# Altium PCB SP7.PcbDoc (part 3 of 4)
Units mm, origin at the board's own origin, x right, y up, seen from the top; angles counter-clockwise.
Board outline 69.1 x 36.6 mm, 6 copper layers (Top, 02_GND, 03_SIG, 04_PWR, 05_SIG, Bottom), stack 1.443 mm thick; 199 components, 178 nets, 906 pads, 778 vias.
Unrouted connection lines stored in the file: 1.
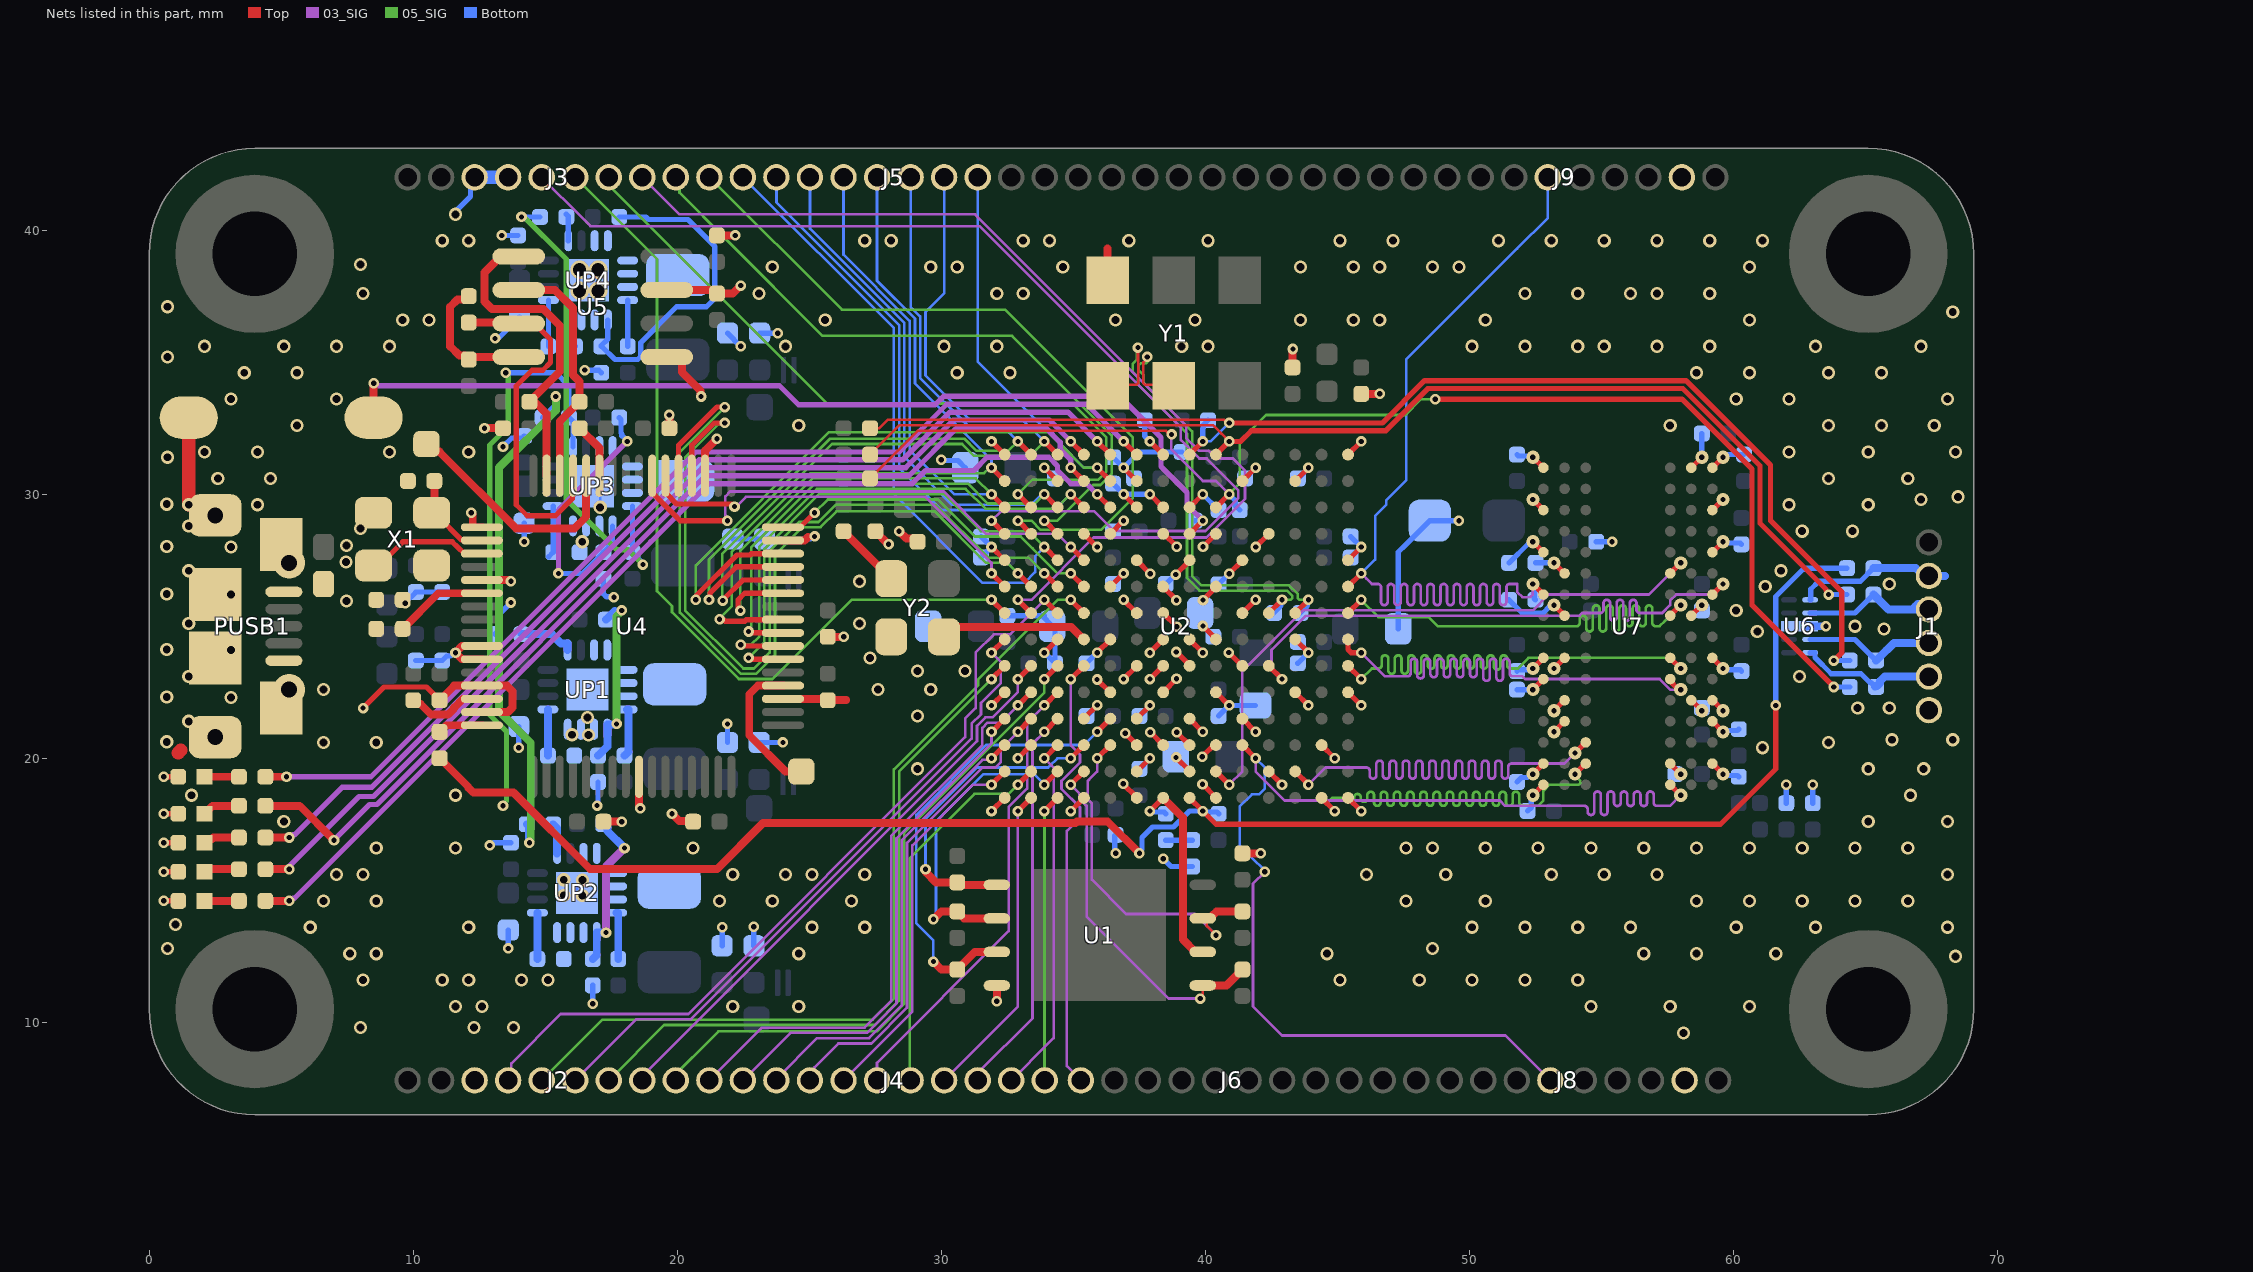
[diagram p7: the nets of this part, all layers, seen from the top]

## Via types
v1: diameter 0.4, hole 0.2, Top to Bottom, tented both sides, 330 vias
v2: diameter 0.5, hole 0.3, Top to Bottom, tented both sides, 183 vias
v3: diameter 0.5/0.5/0.5/0.5 (per signal layer), hole 0.3, Top to Bottom, tented both sides, 138 vias
v4: diameter 0.4/0.5/0.5/0.5 (per signal layer), hole 0.2, Top to Bottom, tented both sides, 91 vias
v5: diameter 0.8, hole 0.5, Top to Bottom, 32 vias
v6: diameter 0.7/0.5/0.5/0.5 (per signal layer), hole 0.5, Top to Bottom, tented both sides, 4 vias

## Nets (pads, with @x,y where several pads share a name; then routed paths per layer and width w, separated by ;. In a path a pad name is that pad's centre, name@x,y a point inside that pad or via, vN(x,y) a via of type N, cw(c..) or ccw(c..) an arc to the next point about the centre after c; other vN are vias at no path point) (continued)
DDR3_DQ15: J8.5 U2.C5 U7.A3 | length 47.4
  Top w0.2: U2.C5@41.4,20.5 v1(41.9,20) ; U7.A3@57.6,19 v4(58,18.6)
  03_SIG w0.1: v1(41.9,20) 41.9,19.5 43,18.4 51.15,18.4 51.35,18.2 53.8,18.2 54.35,18.2 cw(c54.35,18.075) 54.475,18.075 54.475,17.975 ccw(c54.6,17.975) 54.6,17.85 ccw(c54.6,17.975) 54.725,17.975 54.725,18.616 cw(c54.85,18.616) 54.85,18.741 cw(c54.85,18.616) 54.975,18.616 54.975,17.975 ccw(c55.1,17.975) 55.1,17.85 ccw(c55.1,17.975) 55.225,17.975 55.225,18.616 cw(c55.35,18.616) 55.35,18.741 cw(c55.35,18.616) 55.475,18.616 55.475,18.316 ccw(c55.6,18.316) 55.6,18.191 ccw(c55.6,18.316) 55.725,18.316 55.725,18.616 cw(c55.85,18.616) 55.85,18.741 cw(c55.85,18.616) 55.975,18.616 55.975,18.316 ccw(c56.1,18.316) 56.1,18.191 ccw(c56.1,18.316) 56.225,18.316 56.225,18.616 cw(c56.35,18.616) 56.35,18.741 cw(c56.35,18.616) 56.475,18.616 56.475,18.316 ccw(c56.6,18.316) 56.6,18.191 ccw(c56.6,18.316) 56.725,18.316 56.725,18.616 cw(c56.85,18.616) 56.85,18.741 cw(c56.85,18.616) 56.975,18.616 56.975,18.325 ccw(c57.1,18.325) 57.1,18.2 57.4,18.2 57.6,18.2 v4(58,18.6) ; v1(42.25,15.7) 41.8,15.25 41.8,10.605 42.905,9.5 51.365,9.5 J8.5@53.065,7.8
  Bottom w0.1: v1(41.9,20) 42.25,19.65 42.25,18.855 42.029,18.634 41.756,18.634 41.3,18.178 41.3,16.7 41.75,16.25 42.25,15.75 v1(42.25,15.7)
DDR3_DQS0_N: U2.F1 U7.G3 | length 23.1
  Top w0.2: U2.F1@45.4,23.5 v1(45.9,23) ; U7.G3@57.6,23.8 v4(58,23.4)
  05_SIG w0.1: v1(45.9,23) 46.3,23.4 46.5,23.4 46.55,23.4 ccw(c46.55,23.525) 46.675,23.525 46.675,23.775 cw(c46.8,23.775) 46.8,23.9 cw(c46.8,23.775) 46.925,23.775 46.925,23.325 ccw(c47.05,23.325) 47.05,23.2 ccw(c47.05,23.325) 47.175,23.325 47.175,23.775 cw(c47.3,23.775) 47.3,23.9 cw(c47.3,23.775) 47.425,23.775 47.425,23.325 ccw(c47.55,23.325) 47.55,23.2 ccw(c47.55,23.325) 47.675,23.325 47.675,23.775 cw(c47.8,23.775) 47.8,23.9 cw(c47.8,23.775) 47.925,23.775 47.925,23.325 ccw(c48.05,23.325) 48.05,23.2 ccw(c48.05,23.325) 48.175,23.325 48.175,23.775 cw(c48.3,23.775) 48.3,23.9 cw(c48.3,23.775) 48.425,23.775 48.425,23.519 ccw(c48.55,23.519) 48.55,23.394 ccw(c48.55,23.519) 48.675,23.519 48.675,23.775 cw(c48.8,23.775) 48.8,23.9 cw(c48.8,23.775) 48.925,23.775 48.925,23.519 ccw(c49.05,23.519) 49.05,23.394 ccw(c49.05,23.519) 49.175,23.519 49.175,23.775 cw(c49.3,23.775) 49.3,23.9 cw(c49.3,23.775) 49.425,23.775 49.425,23.519 ccw(c49.55,23.519) 49.55,23.394 ccw(c49.55,23.519) 49.675,23.519 49.675,23.775 cw(c49.8,23.775) 49.8,23.9 cw(c49.8,23.775) 49.925,23.775 49.925,23.519 ccw(c50.05,23.519) 50.05,23.394 ccw(c50.05,23.519) 50.175,23.519 50.175,23.775 cw(c50.3,23.775) 50.3,23.9 cw(c50.3,23.775) 50.425,23.775 50.425,23.519 ccw(c50.55,23.519) 50.55,23.394 ccw(c50.55,23.519) 50.675,23.519 50.675,23.775 cw(c50.8,23.775) 50.8,23.9 cw(c50.8,23.775) 50.925,23.775 50.925,23.483 ccw(c51.05,23.483) 51.05,23.358 ccw(c51.05,23.483) 51.175,23.483 51.175,23.775 cw(c51.3,23.775) 51.3,23.9 cw(c51.3,23.775) 51.425,23.775 51.425,23.525 ccw(c51.55,23.525) 51.55,23.4 51.834,23.4 52.234,23.8 54.166,23.8 57.6,23.8 v4(58,23.4)
DDR3_DQS0_P: U2.G1 U7.F3 | length 24.3
  Top w0.2: U2.G1@45.4,24.5 45.4,24.117 45.517,24 v1(45.9,24) ; U7.F3@57.6,23 57.6,22.946 57.7,22.846 57.7,22.817 57.879,22.638 57.962,22.638 v4(58,22.6)
  03_SIG w0.1: v1(45.9,24) 46.8,23.1 47.595,23.1 47.646,23.1 ccw(c47.646,23.225) 47.77,23.225 47.77,23.646 cw(c47.895,23.646) 47.895,23.771 cw(c47.895,23.646) 48.02,23.646 48.02,23.148 ccw(c48.145,23.148) 48.145,23.023 ccw(c48.145,23.148) 48.27,23.148 48.27,23.646 cw(c48.395,23.646) 48.395,23.771 cw(c48.395,23.646) 48.52,23.646 48.52,23.192 ccw(c48.645,23.192) 48.645,23.067 ccw(c48.645,23.192) 48.77,23.192 48.77,23.646 cw(c48.895,23.646) 48.895,23.771 cw(c48.895,23.646) 49.02,23.646 49.02,23.192 ccw(c49.145,23.192) 49.145,23.067 ccw(c49.145,23.192) 49.27,23.192 49.27,23.646 cw(c49.395,23.646) 49.395,23.771 cw(c49.395,23.646) 49.52,23.646 49.52,23.192 ccw(c49.645,23.192) 49.645,23.067 ccw(c49.645,23.192) 49.77,23.192 49.77,23.646 cw(c49.895,23.646) 49.895,23.771 cw(c49.895,23.646) 50.02,23.646 50.02,23.192 ccw(c50.145,23.192) 50.145,23.067 ccw(c50.145,23.192) 50.27,23.192 50.27,23.646 cw(c50.395,23.646) 50.395,23.771 cw(c50.395,23.646) 50.52,23.646 50.52,23.059 ccw(c50.645,23.059) 50.645,22.934 ccw(c50.645,23.059) 50.77,23.059 50.77,23.646 cw(c50.895,23.646) 50.895,23.771 cw(c50.895,23.646) 51.02,23.646 51.02,23.059 ccw(c51.145,23.059) 51.145,22.934 ccw(c51.145,23.059) 51.27,23.059 51.27,23.646 cw(c51.395,23.646) 51.395,23.771 cw(c51.395,23.646) 51.52,23.646 51.52,23.225 ccw(c51.645,23.225) 51.645,23.1 51.853,23.1 52,23.1 52.1,23 57.2,23 57.6,22.6 v4(58,22.6)
DDR3_DQS1_N: U2.A2 U7.B7 | length 22.8
  Top w0.2: U2.A2@44.4,18.5 v1(44.9,18) ; v4(54,19.4) U7.B7@54.4,19.8
  05_SIG w0.1: v1(44.9,18) 44.641,18.259 44.641,18.341 44.8,18.5 45.181,18.5 45.331,18.35 45.509,18.35 ccw(c45.509,18.475) 45.634,18.475 45.634,18.525 cw(c45.759,18.525) 45.759,18.65 cw(c45.759,18.525) 45.884,18.525 45.884,18.475 ccw(c46.009,18.475) 46.009,18.35 ccw(c46.009,18.475) 46.134,18.475 46.134,18.608 cw(c46.259,18.608) 46.259,18.733 cw(c46.259,18.608) 46.384,18.608 46.384,18.325 ccw(c46.509,18.325) 46.509,18.2 ccw(c46.509,18.325) 46.634,18.325 46.634,18.608 cw(c46.759,18.608) 46.759,18.733 cw(c46.759,18.608) 46.884,18.608 46.884,18.325 ccw(c47.009,18.325) 47.009,18.2 ccw(c47.009,18.325) 47.134,18.325 47.134,18.608 cw(c47.259,18.608) 47.259,18.733 cw(c47.259,18.608) 47.384,18.608 47.384,18.325 ccw(c47.509,18.325) 47.509,18.2 ccw(c47.509,18.325) 47.634,18.325 47.634,18.608 cw(c47.759,18.608) 47.759,18.733 cw(c47.759,18.608) 47.884,18.608 47.884,18.325 ccw(c48.009,18.325) 48.009,18.2 ccw(c48.009,18.325) 48.134,18.325 48.134,18.608 cw(c48.259,18.608) 48.259,18.733 cw(c48.259,18.608) 48.384,18.608 48.384,18.325 ccw(c48.509,18.325) 48.509,18.2 ccw(c48.509,18.325) 48.634,18.325 48.634,18.608 cw(c48.759,18.608) 48.759,18.733 cw(c48.759,18.608) 48.884,18.608 48.884,18.325 ccw(c49.009,18.325) 49.009,18.2 ccw(c49.009,18.325) 49.134,18.325 49.134,18.608 cw(c49.259,18.608) 49.259,18.733 cw(c49.259,18.608) 49.384,18.608 49.384,18.325 ccw(c49.509,18.325) 49.509,18.2 ccw(c49.509,18.325) 49.634,18.325 49.634,18.608 cw(c49.759,18.608) 49.759,18.733 cw(c49.759,18.608) 49.884,18.608 49.884,18.325 ccw(c50.009,18.325) 50.009,18.2 ccw(c50.009,18.325) 50.134,18.325 50.134,18.608 cw(c50.259,18.608) 50.259,18.733 cw(c50.259,18.608) 50.384,18.608 50.384,18.325 ccw(c50.509,18.325) 50.509,18.2 ccw(c50.509,18.325) 50.634,18.325 50.634,18.608 cw(c50.759,18.608) 50.759,18.733 cw(c50.759,18.608) 50.884,18.608 50.884,18.325 ccw(c51.009,18.325) 51.009,18.2 ccw(c51.009,18.325) 51.134,18.325 51.134,18.608 cw(c51.259,18.608) 51.259,18.733 cw(c51.259,18.608) 51.384,18.608 51.384,18.325 ccw(c51.509,18.325) 51.509,18.2 ccw(c51.509,18.325) 51.634,18.325 51.634,18.608 cw(c51.759,18.608) 51.759,18.733 cw(c51.759,18.608) 51.884,18.608 51.884,18.325 ccw(c52.009,18.325) 52.009,18.2 52.194,18.2 52.591,18.2 52.8,18.409 52.8,18.766 53.034,19 54.141,19 54.2,19.059 54.2,19.141 54,19.341 v4(54,19.4)
DDR3_DQS1_P: U2.B3 U7.C7 | length 24.1
  Top w0.2: U2.B3@43.4,19.5 v1(43.9,19) ; v4(54,20.2) U7.C7@54.4,20.6
  03_SIG w0.1: v1(43.9,19) 44.55,19.65 45.796,19.65 46.096,19.65 cw(c46.096,19.525) 46.221,19.525 46.221,19.352 ccw(c46.346,19.352) 46.346,19.227 ccw(c46.346,19.352) 46.471,19.352 46.471,19.783 cw(c46.596,19.783) 46.596,19.908 cw(c46.596,19.783) 46.721,19.783 46.721,19.352 ccw(c46.846,19.352) 46.846,19.227 ccw(c46.846,19.352) 46.971,19.352 46.971,19.783 cw(c47.096,19.783) 47.096,19.908 cw(c47.096,19.783) 47.221,19.783 47.221,19.352 ccw(c47.346,19.352) 47.346,19.227 ccw(c47.346,19.352) 47.471,19.352 47.471,19.783 cw(c47.596,19.783) 47.596,19.908 cw(c47.596,19.783) 47.721,19.783 47.721,19.352 ccw(c47.846,19.352) 47.846,19.227 ccw(c47.846,19.352) 47.971,19.352 47.971,19.783 cw(c48.096,19.783) 48.096,19.908 cw(c48.096,19.783) 48.221,19.783 48.221,19.352 ccw(c48.346,19.352) 48.346,19.227 ccw(c48.346,19.352) 48.471,19.352 48.471,19.783 cw(c48.596,19.783) 48.596,19.908 cw(c48.596,19.783) 48.721,19.783 48.721,19.352 ccw(c48.846,19.352) 48.846,19.227 ccw(c48.846,19.352) 48.971,19.352 48.971,19.783 cw(c49.096,19.783) 49.096,19.908 cw(c49.096,19.783) 49.221,19.783 49.221,19.352 ccw(c49.346,19.352) 49.346,19.227 ccw(c49.346,19.352) 49.471,19.352 49.471,19.783 cw(c49.596,19.783) 49.596,19.908 cw(c49.596,19.783) 49.721,19.783 49.721,19.352 ccw(c49.846,19.352) 49.846,19.227 ccw(c49.846,19.352) 49.971,19.352 49.971,19.783 cw(c50.096,19.783) 50.096,19.908 cw(c50.096,19.783) 50.221,19.783 50.221,19.352 ccw(c50.346,19.352) 50.346,19.227 ccw(c50.346,19.352) 50.471,19.352 50.471,19.783 cw(c50.596,19.783) 50.596,19.908 cw(c50.596,19.783) 50.721,19.783 50.721,19.352 ccw(c50.846,19.352) 50.846,19.227 ccw(c50.846,19.352) 50.971,19.352 50.971,19.783 cw(c51.096,19.783) 51.096,19.908 cw(c51.096,19.783) 51.221,19.783 51.221,19.352 ccw(c51.346,19.352) 51.346,19.227 ccw(c51.346,19.352) 51.471,19.352 51.471,19.675 cw(c51.596,19.675) 51.596,19.8 52.1,19.8 53.6,19.8 v4(54,20.2)
DDR3_ODT: U2.F4 U7.K1 | length 24.3
  Top w0.2: U2.F4@42.4,23.5 v1(42.9,23) ; U7.K1@59.2,26.2 v4(59.6,26.6)
  03_SIG w0.1: v1(42.9,23) 42.5,23.4 42.5,24.095 43.805,25.4 54.166,25.4 54.266,25.5 54.9,25.5 54.95,25.5 ccw(c54.95,25.625) 55.075,25.625 55.075,25.875 cw(c55.2,25.875) 55.2,26 cw(c55.2,25.875) 55.325,25.875 55.325,25.336 ccw(c55.45,25.336) 55.45,25.211 ccw(c55.45,25.336) 55.575,25.336 55.575,25.875 cw(c55.7,25.875) 55.7,26 cw(c55.7,25.875) 55.825,25.875 55.825,25.336 ccw(c55.95,25.336) 55.95,25.211 ccw(c55.95,25.336) 56.075,25.336 56.075,25.875 cw(c56.2,25.875) 56.2,26 cw(c56.2,25.875) 56.325,25.875 56.325,25.625 ccw(c56.45,25.625) 56.45,25.5 57.1,25.5 57.3,25.5 57.6,25.8 57.6,25.966 57.834,26.2 59.2,26.2 v4(59.6,26.6)
DDR3_RAS_N: U2.H1 U7.J3 | length 22.8
  Top w0.2: U2.H1@45.4,25.5 v1(45.9,26) ; U7.J3@57.6,25.4 v4(58,25.8)
  05_SIG w0.1: v1(45.9,26) 46.55,25.35 48.445,25.35 48.795,25 54,25 54.05,25 ccw(c54.05,25.125) 54.175,25.125 54.175,25.284 cw(c54.3,25.284) 54.3,25.409 cw(c54.3,25.284) 54.425,25.284 54.425,24.925 ccw(c54.55,24.925) 54.55,24.8 ccw(c54.55,24.925) 54.675,24.925 54.675,25.665 cw(c54.8,25.665) 54.8,25.79 cw(c54.8,25.665) 54.925,25.665 54.925,24.925 ccw(c55.05,24.925) 55.05,24.8 ccw(c55.05,24.925) 55.175,24.925 55.175,25.665 cw(c55.3,25.665) 55.3,25.79 cw(c55.3,25.665) 55.425,25.665 55.425,24.925 ccw(c55.55,24.925) 55.55,24.8 ccw(c55.55,24.925) 55.675,24.925 55.675,25.665 cw(c55.8,25.665) 55.8,25.79 cw(c55.8,25.665) 55.925,25.665 55.925,25.125 ccw(c56.05,25.125) 56.05,25 ccw(c56.05,25.125) 56.175,25.125 56.175,25.665 cw(c56.3,25.665) 56.3,25.79 cw(c56.3,25.665) 56.425,25.665 56.425,25.125 ccw(c56.55,25.125) 56.55,25 ccw(c56.55,25.125) 56.675,25.125 56.675,25.665 cw(c56.8,25.665) 56.8,25.79 cw(c56.8,25.665) 56.925,25.665 56.925,25.125 ccw(c57.05,25.125) 57.05,25 57.2,25 57.4,25.2 v4(58,25.8)
DDR3_RESET_N: R64.1 U7.T2 | length 1.5
  Top w0.2: U7.T2@58.4,31 v4(58.8,31.4)
  Bottom w0.2: v4(58.8,31.4) R64.1@58.8,32.3
DDR3_WE_N: U2.B6 U7.L3 | length 24.1
  Top w0.2: U2.B6@40.4,19.5 v1(40.9,19) ; U7.L3@57.6,27 v4(58,27.4)
  03_SIG w0.1: v1(40.9,19) 41.4,19.5 41.4,23.3 43.7,25.6 52.4,25.6 53,26.2 56.8,26.2 v4(58,27.4)
EECLK: R44.1 U4.62 U5.2 | length 9.1
  Top w0.3: U5.2@14,37.736 15.364,37.736 16.05,37.05 16.05,34.514 16.3,34.264 R44.1@16.3,33.5 15.55,32.75 U4.62@15.55,30.7
EECS: R43.1 U4.63 U5.1 | length 12.2
  Top w0.3: U5.1@14,39.006 13.306,39.006 12.7,38.4 12.7,37.3 12.984,37.016 14.928,37.016 15.55,36.393 15.55,34.65 14.5,33.6 R43.1@14.4,33.5 ; R43.1@14.6,33.5 15.05,33.05 U4.63@15.05,30.7
EEDATA: R35.2 U4.61 U5.3 | length 13.9
  Top w0.2: U5.3@14,36.466 14.592,36.466 14.87,36.187 15.2,35.857 15.2,34.989 14.907,34.696 14.496,34.696 13.9,34.1 13.9,29.6 14.317,29.183 15.383,29.183 16.032,29.832 16.032,30.682 U4.61@16.05,30.7
  Top w0.3: R35.2@12.1,36.5 13.965,36.5 U5.3@14,36.466
EXT1: J4.2 U2.C12 | length 14
  Top w0.2: v1(33.9,20) U2.C12@34.4,20.5
  03_SIG w0.1: J4.2@32.461,7.616 34.25,9.405 34.25,19.65 v1(33.9,20)
EXT2: J4.3 U2.D12 | length 15
  Top w0.2: v1(33.9,21) U2.D12@34.4,21.5
  03_SIG w0.1: J4.3@31.375,7.8 31.375,8.075 33.45,10.15 33.45,20.55 v1(33.9,21)
EXT3: J4.4 U2.A13 | length 12.1
  Top w0.2: v1(32.9,18) U2.A13@33.4,18.5
  03_SIG w0.1: J4.4@30.105,7.8 32.9,10.595 v1(32.9,18)
EXT4: J4.5 U2.B13 | length 14.4
  Top w0.2: v1(32.9,19) U2.B13@33.4,19.5
  05_SIG w0.1: J4.5@28.8,7.8 28.8,16.2 31.25,18.65 32.55,18.65 v1(32.9,19)
EXT5: J4.6 U2.E12 | length 17.8
  Top w0.2: v1(33.9,22) U2.E12@34.4,22.5
  03_SIG w0.1: J4.6@27.737,7.972 J4.6@27.565,7.8 27.565,8.465 32.55,13.45 32.55,18.155 33.25,18.855 33.25,21.35 v1(33.9,22)
EXT6: J4.7 U2.B14 | length 14.8
  Top w0.2: v1(31.9,19) U2.B14@32.4,19.5
  03_SIG w0.1: J4.7@26.148,7.653 J4.7@26.295,7.8 28.9,10.405 28.9,16.7 31.2,19 v1(31.9,19)
EXT7: J4.8 U2.D13 | length 18.4
  Top w0.2: v1(32.9,21) U2.D13@33.4,21.5
  03_SIG w0.1: J4.8@24.8,7.7 25.197,8.097 25.197,8.297 26.1,9.2 27.347,9.2 28.7,10.553 28.7,16.8 31.55,19.65 32.045,19.65 32.25,19.855 32.25,20.35 v1(32.9,21)
EXT8: J4.9 U2.C14 | length 17.6
  Top w0.2: v1(31.9,20) U2.C14@32.4,20.5
  03_SIG w0.1: J4.9@23.755,7.8 23.755,7.861 25.294,9.4 27.264,9.4 28.5,10.636 28.5,16.883 31.56,19.943 31.843,19.943 v1(31.9,20)
EXT9: J4.10 U2.D14 | length 19.8
  Top w0.2: v1(31.9,21) U2.D14@32.4,21.5
  03_SIG w0.1: J4.10@22.282,7.597 24.285,9.6 27.181,9.6 28.3,10.719 28.3,16.966 31.9,20.566 v1(31.9,21)
EXT10: J6.1 U2.F11 | length 17.1
  Top w0.2: v1(34.9,23) U2.F11@35.4,23.5
  03_SIG w0.1: v1(34.9,23) 34.9,20.495 35.25,20.145 35.25,19.845 34.55,19.145 34.55,18.845 35.25,18.145 35.25,17.745 34.75,17.245 34.75,8.341 35.285,7.806 J6.1@35.285,7.8
EXT11: J2.4 U2.H12 | length 30.5
  Top w0.2: v1(33.9,26) U2.H12@34.4,25.5
  03_SIG w0.1: J2.4@13.595,7.8 13.716,7.921 13.716,8.45 15.583,10.317 20.417,10.317 30.9,20.8 30.9,21.5 31.3,21.9 31.3,24 31.996,24.696 32.596,24.696 v1(33.9,26)
EXT12: J2.5 U2.H11 | length 33.5
  Top w0.2: v1(34.9,26) U2.H11@35.4,25.5
  05_SIG w0.1: J2.5@14.865,7.8 17.165,10.1 27.398,10.1 28.2,10.902 28.2,19.583 31.4,22.783 31.4,22.995 34.405,26 v1(34.9,26)
EXT13: J2.6 U2.G14 | length 24.9
  Top w0.2: v1(31.9,24) U2.G14@32.4,24.5
  03_SIG w0.1: J2.6@16.135,7.8 18.452,10.117 20.517,10.117 31.15,20.75 31.15,21.311 31.5,21.661 31.5,22.1 32.25,22.85 32.25,23.65 v1(31.9,24)
EXT14: J2.7 U2.F14 | length 26.6
  Top w0.2: v1(31.9,23) U2.F14@32.4,23.5
  05_SIG w0.1: J2.7@17.405,7.8 19.505,9.9 27.481,9.9 28.4,10.819 28.4,19.5 v1(31.9,23)
EXT15: J2.8 U2.F13 | length 22
  Top w0.2: v1(32.9,23) U2.F13@33.4,23.5
  03_SIG w0.1: J2.8@18.675,7.8 18.675,7.975 31.35,20.65 31.35,21.228 31.672,21.55 31.945,21.55 32.9,22.505 v1(32.9,23)
EXT16: J2.9 U2.F12 | length 25.4
  Top w0.2: v1(33.9,23) U2.F12@34.4,23.5
  05_SIG w0.1: J2.9@19.65,7.75 21.562,9.662 27.557,9.662 28.6,10.705 28.6,17.195 33.9,22.495 v1(33.9,23)
EXT17: J2.10 U2.E13 | length 22.6
  Top w0.2: v1(32.9,22) U2.E13@33.4,22.5
  03_SIG w0.1: J2.10@21.038,7.623 23.215,9.8 27.098,9.8 28.1,10.802 28.1,17.049 31.55,20.499 31.55,21.145 31.755,21.35 32.25,21.35 v1(32.9,22)
EXT18: J4.1 U2.A12 | length 10.9
  Top w0.2: v1(33.9,18) U2.A12@34.4,18.5
  05_SIG w0.1: v1(33.9,18) 33.907,17.992 33.907,7.808 J4.1@33.915,7.8
EXT19: J3.3 U2.H13 | length 40.1
  Top w0.2: v1(32.9,26) U2.H13@33.4,25.5
  03_SIG w0.1: J3.3@18.382,42.293 20.075,40.6 31.278,40.6 39.268,32.609 39.268,32.137 39.755,31.65 40.116,31.65 40.416,31.35 41.045,31.35 41.5,30.895 41.5,29.822 40.04,28.362 35.767,28.362 33.405,26 v1(32.9,26)
EXT20: J3.5 U2.H14 | length 33.5
  Top w0.2: v1(31.9,26) U2.H14@32.4,25.5
  05_SIG w0.1: J3.5@15.846,42.289 19.231,38.904 19.231,26.33 19.8,25.761 19.8,25.534 22.334,23 23.605,23 26.605,26 v1(31.9,26)
EXT21: J3.4 U2.M13 | length 29.2
  Top w0.2: v1(32.9,30) U2.M13@33.4,29.5
  05_SIG w0.1: J3.4@17.405,42 17.105,42 21.623,37.482 25.668,33.437 34.958,33.437 36.25,32.145 36.25,30.855 35.945,30.55 33.45,30.55 v1(32.9,30)
EXT22: J3.6 U2.L14 | length 43.3
  Top w0.2: v1(31.9,29) U2.L14@32.4,28.5
  03_SIG w0.1: J3.6@14.562,42.303 16.715,40.15 31.445,40.15 39.068,32.526 39.068,32.054 39.772,31.35 40.045,31.35 40.286,31.109 41.25,30.145 41.25,29.855 40.002,28.607 36.538,28.607 35.795,29.35 32.25,29.35 v1(31.9,29)
EXT23: J3.2 U2.L12 | length 26.3
  Top w0.2: v1(33.9,29) U2.L12@34.4,28.5
  05_SIG w0.1: J3.2@19.945,42 20.085,41.86 20.085,41.42 21.85,39.655 25.505,36 32.678,36 36.45,32.228 36.45,30.772 36.028,30.35 35.745,30.35 34.395,29 v1(33.9,29)
EXT24: J3.1 U2.L13 | length 28.1
  Top w0.2: v1(32.9,29) U2.L13@33.4,28.5
  05_SIG w0.1: J3.1@21.215,42 26.229,36.986 32.409,36.986 37.25,32.145 37.25,29.855 36.045,28.65 33.755,28.65 33.405,29 v1(32.9,29)
EXT25: J5.10 U2.K12 U4.38 | length 41.1
  Top w0.2: v1(22.7,23.8) 22.754,23.8 22.804,23.75 U4.38@24,23.75 ; v1(33.9,28) U2.K12@34.4,27.5
  05_SIG w0.1: v1(22.7,23.8) 23.3,24.4 23.3,27.925 25.375,30 30.1,30 31.5,28.6 33.3,28.6 v1(33.9,28)
  Bottom w0.1: J5.10@22.485,42 28.2,36.285 28.2,30 31.559,26.641 33.141,26.641 33.55,27.05 33.55,27.65 v1(33.9,28)
EXT26: J5.9 U2.M11 U4.39 | length 40.1
  Top w0.2: v1(22.4,24.3) 22.454,24.3 22.504,24.25 U4.39@24,24.25 ; v1(34.9,30) U2.M11@35.4,29.5
  05_SIG w0.1: v1(22.4,24.3) 22.8,24.3 23.1,24.6 23.1,28.008 25.292,30.2 30.922,30.2 31.672,29.45 34.35,29.45 v1(34.9,30)
  Bottom w0.1: J5.9@23.755,42 23.755,41.045 28.4,36.4 28.4,31 30,29.4 34.3,29.4 v1(34.9,30)
EXT27: J5.8 U2.M12 U4.40 | length 36.1
  Top w0.2: v1(22.7,24.8) 22.754,24.8 22.804,24.75 U4.40@24,24.75 ; v1(33.9,30) U2.M12@34.4,29.5
  05_SIG w0.1: v1(22.7,24.8) 22.7,24.881 22.8,24.981 22.8,27.991 25.209,30.4 31.005,30.4 31.755,29.65 33.55,29.65 v1(33.9,30)
  Bottom w0.1: J5.8@25.025,42 25.025,40.058 28.6,36.483 28.6,31.4 30.4,29.6 33.4,29.6 33.703,29.903 33.721,29.903 33.819,30 v1(33.9,30)
EXT28: J5.7 U2.M14 U4.43 | length 31.3
  Top w0.2: v1(22.39,25.593) 22.39,25.647 22.3,25.737 22.3,26 22.55,26.25 U4.43@24,26.25 ; v1(31.9,30) U2.M14@32.4,29.5
  05_SIG w0.1: v1(22.39,25.593) 22.39,27.864 25.126,30.6 31.3,30.6 v1(31.9,30)
  Bottom w0.1: J5.7@26.295,42 26.295,39.071 28.8,36.566 28.8,31.682 30.482,30 v1(31.9,30)
EXT29: J5.6 U2.N14 U4.41 | length 29.9
  Top w0.2: v1(21.6,25.261) 21.638,25.223 21.78,25.223 21.81,25.193 22.556,25.193 22.613,25.25 U4.41@24,25.25 ; v1(31.9,31) U2.N14@32.4,30.5
  05_SIG w0.1: v1(21.6,25.261) 21.6,25.297 22.066,25.764 22.066,27.823 25.043,30.8 31.619,30.8 31.819,31 v1(31.9,31)
  Bottom w0.1: J5.6@27.565,42 27.565,38.084 29,36.649 29,34.2 31.9,31.3 v1(31.9,31) v1@31.852,31.048
EXT30: J5.5 U2.P13 U4.45 | length 32
  Top w0.2: v1(21.2,26) 21.238,26.038 21.238,26.256 22.232,27.25 U4.45@24,27.25 ; v1(32.9,32) U2.P13@33.4,31.5
  05_SIG w0.1: v1(21.2,26) 21.2,27.522 25.778,32.1 30.871,32.1 31.32,31.65 32.55,31.65 v1(32.9,32)
  Bottom w0.1: J5.5@28.835,42 28.835,37.096 29.2,36.731 29.2,34.4 31,32.6 32.3,32.6 v1(32.9,32)
EXT31: J5.4 U2.P12 U4.44 | length 32.8
  Top w0.2: v1(21.716,25.971) 21.716,25.982 22.484,26.75 U4.44@24,26.75 ; v1(33.9,32) U2.P12@34.4,31.5
  05_SIG w0.1: v1(21.716,25.971) 21.709,25.979 21.709,27.748 25.861,31.9 30.788,31.9 31.238,31.45 33.35,31.45 v1(33.9,32)
  Bottom w0.1: J5.4@30.105,42 30.105,37.605 29.4,36.9 29.4,34.5 31.1,32.8 33.1,32.8 v1(33.9,32)
EXT32: J5.3 U2.N10 U4.46 | length 37.1
  Top w0.2: v1(20.7,26) 20.738,26.038 20.738,26.18 22.258,27.7 22.756,27.7 22.806,27.75 U4.46@24,27.75 ; v1(35.9,31) U2.N10@36.4,30.5
  05_SIG w0.1: v1(20.7,26) 20.7,27.305 25.745,32.35 34.055,32.35 34.55,31.855 35.405,31 v1(35.9,31)
  Bottom w0.1: J5.3@31.375,42 31.375,35.025 35.4,31 v1(35.9,31)
EXT57: J9.6 R65.1 U2.J1 U7.K9 | length 41.2
  Top w0.2: U2.J1@45.4,26.5 v1(45.9,27) ; v4(52.4,26.6) U7.K9@52.8,26.2
  03_SIG w0.1: v1(45.9,27) 46.1,26.8 46.3,26.6 46.525,26.6 cw(c46.525,26.475) 46.65,26.475 46.65,25.925 ccw(c46.775,25.925) 46.775,25.8 ccw(c46.775,25.925) 46.9,25.925 46.9,26.475 cw(c47.025,26.475) 47.025,26.6 cw(c47.025,26.475) 47.15,26.475 47.15,25.925 ccw(c47.275,25.925) 47.275,25.8 ccw(c47.275,25.925) 47.4,25.925 47.4,26.475 cw(c47.525,26.475) 47.525,26.6 cw(c47.525,26.475) 47.65,26.475 47.65,25.925 ccw(c47.775,25.925) 47.775,25.8 ccw(c47.775,25.925) 47.9,25.925 47.9,26.475 cw(c48.025,26.475) 48.025,26.6 cw(c48.025,26.475) 48.15,26.475 48.15,25.925 ccw(c48.275,25.925) 48.275,25.8 ccw(c48.275,25.925) 48.4,25.925 48.4,26.475 cw(c48.525,26.475) 48.525,26.6 cw(c48.525,26.475) 48.65,26.475 48.65,25.925 ccw(c48.775,25.925) 48.775,25.8 ccw(c48.775,25.925) 48.9,25.925 48.9,26.475 cw(c49.025,26.475) 49.025,26.6 cw(c49.025,26.475) 49.15,26.475 49.15,25.925 ccw(c49.275,25.925) 49.275,25.8 ccw(c49.275,25.925) 49.4,25.925 49.4,26.475 cw(c49.525,26.475) 49.525,26.6 cw(c49.525,26.475) 49.65,26.475 49.65,25.925 ccw(c49.775,25.925) 49.775,25.8 ccw(c49.775,25.925) 49.9,25.925 49.9,26.475 cw(c50.025,26.475) 50.025,26.6 cw(c50.025,26.475) 50.15,26.475 50.15,25.925 ccw(c50.275,25.925) 50.275,25.8 ccw(c50.275,25.925) 50.4,25.925 50.4,26.475 cw(c50.525,26.475) 50.525,26.6 cw(c50.525,26.475) 50.65,26.475 50.65,25.925 ccw(c50.775,25.925) 50.775,25.8 ccw(c50.775,25.925) 50.9,25.925 50.9,26.475 cw(c51.025,26.475) 51.025,26.6 cw(c51.025,26.475) 51.15,26.475 51.15,25.925 ccw(c51.275,25.925) 51.275,25.8 ccw(c51.275,25.925) 51.4,25.925 51.4,26.475 cw(c51.525,26.475) 51.525,26.6 51.814,26.6 51.814,26.286 52,26.1 52.3,26.1 52.4,26.2 v4(52.4,26.6)